# Altium PCB PCB_v1.PcbDoc (part 4 of 8)
Units mil, origin at the board's own origin, x right, y up, seen from the top; angles counter-clockwise.
Board outline 17000 x 5250 mil, 4 copper layers (Top Side, Ground Layer, Power Layer, Bottom Side), stack 33.2 mil thick; 637 components, 583 nets, 2779 pads, 978 vias.
Unrouted connection lines stored in the file: 104.
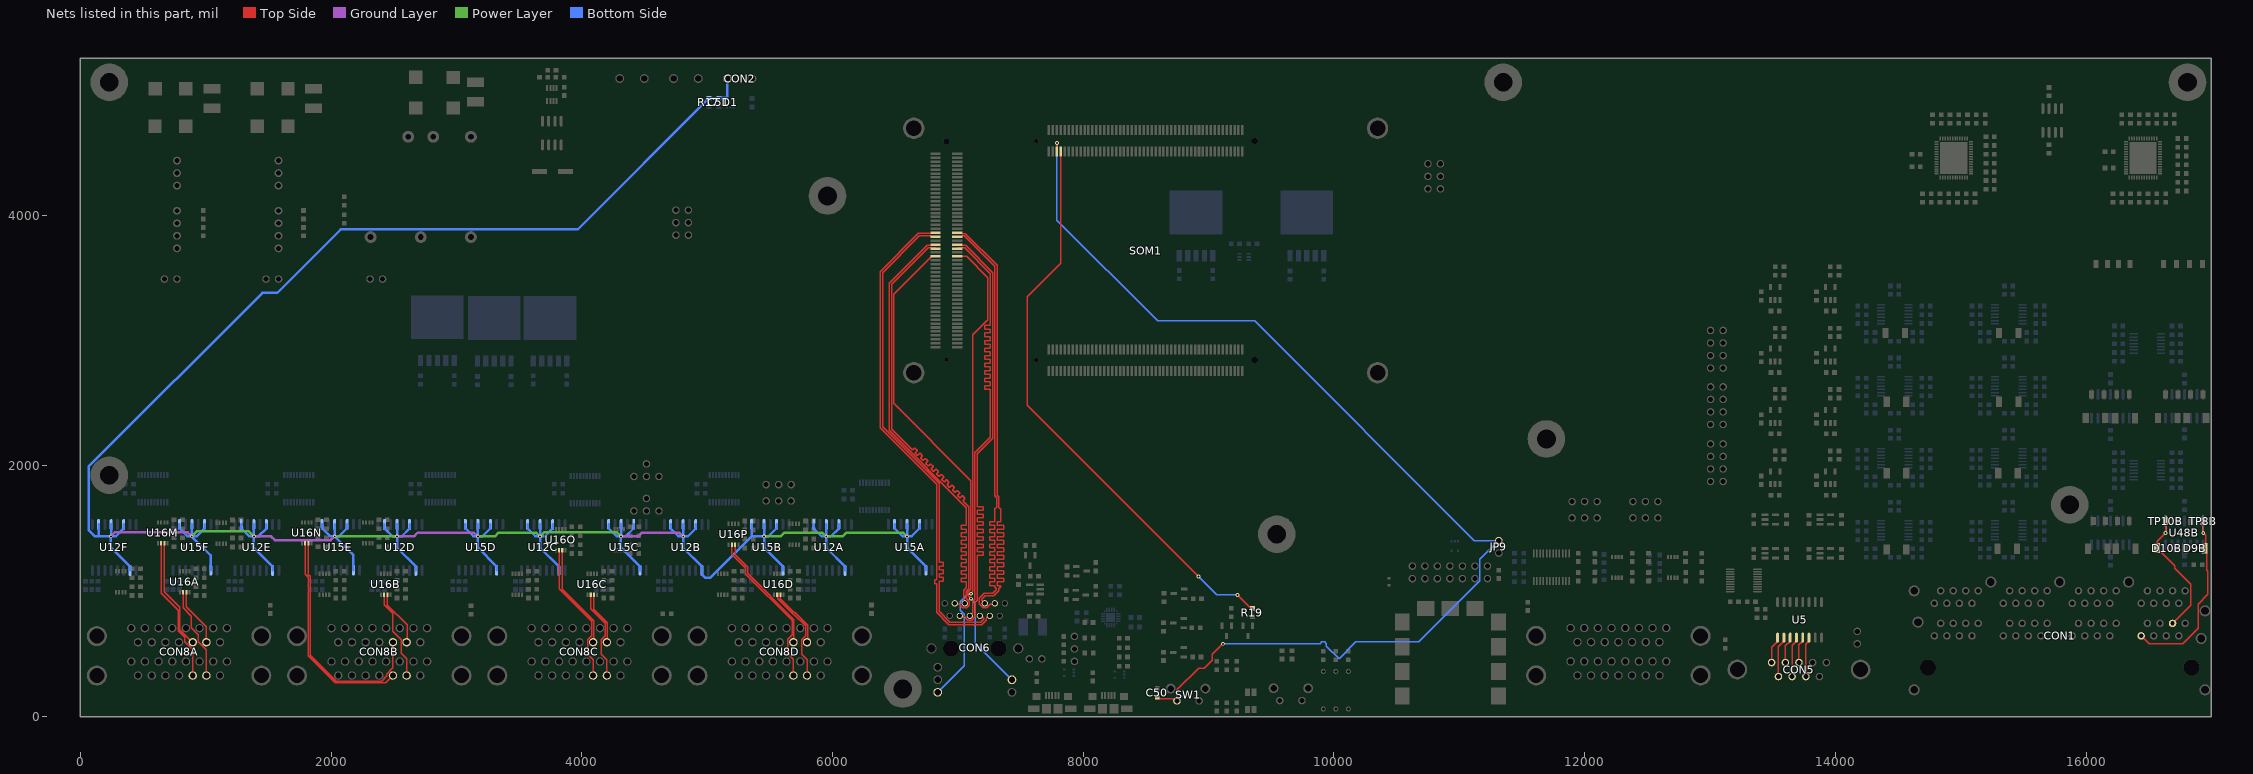
[diagram p6: the nets of this part, all layers, seen from the top]

## Via types
v1: diameter 30, hole 15, Top Side to Bottom Side, 913 vias
v2: diameter 25, hole 15, Top Side to Bottom Side, 30 vias
v3: diameter 60, hole 30, Top Side to Bottom Side, 29 vias
v4: diameter 50, hole 28, Top Side to Bottom Side, 4 vias
v5: diameter 40, hole 20, Top Side to Bottom Side, 2 vias

## Nets (pads, with @x,y where several pads share a name; then routed paths per layer and width w, separated by ;. In a path a pad name is that pad's centre, name@x,y a point inside that pad or via, vN(x,y) a via of type N, cw(c..) or ccw(c..) an arc to the next point about the centre after c; other vN are vias at no path point) (continued)
ANLG_P15: CON1.1H D9B.2 TP8B.1 U48B.14 | length 1539.4
  Top Side w10: CON1.1H@16440.16,643 16443.16,640 16503.16,580 16772.87,580 16895.71,702.84 16895.71,896.26 16973.16,973.71 16973.16,1158.45 16965,1166.61 16965,1322 D9B.2@16945,1342 16953.29,1350.29 16953.29,1446.71 v1(16935,1465) TP8B.1@16935,1560
  Bottom Side w10: v1(16935,1465) U48B.14@16935,1560
ANLG_P16: CON1.7H D10B.2 TP10B.1 U48B.8 | length 1111.6
  Top Side w10: TP10B.1@16635,1560 v1(16635,1465) 16566.54,1396.54 D10B.2@16566.54,1344.56 16706.24,1204.85 16706.24,1185 16835,1056.25 16835,887.84 CON1.7H@16690.16,743
  Bottom Side w10: v1(16635,1465) U48B.8@16635,1560
CARRIER_SRST_N: C50.2 JP9.1 SOM1.JX1-6 SW1.1 | length 8835.2
  Top Side w10: SOM1.JX1-6@7789.65,4506.77 v1(7789.65,4575) ; C50.2@8590,156.54 8603.7,142.83 8716.39,142.83 8734.23,125 SW1.1@8747.76,125 8747.76,213.11 8920,385.36 8965.36,385.36 9030,450 9030,495.36 v1(9114.64,580)
  Bottom Side w10: v1(7789.65,4575) 7789.65,3960.9 8594.91,3155.63 9367.34,3155.63 11120.07,1402.89 JP9.1@11315,1402.89 11165,1252.89 11165,1083.43 10676.57,595 10175.36,595 10040.55,460.2 9940,560.75 9940,580.36 9925.36,595 9904.64,595 9889.64,580 v1(9114.64,580)
DRIVE_EN: C51.2 CON2.1 D1.4 R17.2 U12A.2 U12A.4 U12A.6 U12A.10 U12B.2 U12B.4 U12B.6 U12B.10 U12C.2 U12C.4 U12C.6 U12C.10 U12D.2 U12D.4 U12D.6 U12D.10 U12E.2 U12E.4 U12E.6 U12E.10 U12F.2 U12F.4 U12F.6 U12F.10 U15A.2 U15A.4 U15A.6 U15A.10 U15B.2 U15B.4 U15B.6 U15B.10 U15C.2 U15C.4 U15C.6 U15C.10 U15D.2 U15D.4 U15D.6 U15D.10 U15E.2 U15E.4 U15E.6 U15E.10 U15F.2 U15F.4 U15F.6 U15F.10 | length 22604.8
  Ground Layer w20: v1(242.31,1437.6) 274.71,1470 854.91,1470 v1(887.31,1437.6) ; v1(1383.84,1437.6) 1520.88,1437.6 1550.88,1407.6 1996.14,1407.6 2026.14,1437.6 v1(2028.84,1437.6) ; v1(2525.38,1437.6) 2660.88,1437.6 2690.88,1467.6 3137.67,1467.6 3167.67,1437.6 v1(3170.38,1437.6) ; v1(4311.91,1437.6) 4450.88,1437.6 4480.88,1467.6 4775.74,1467.6 4805.74,1437.6 v1(4808.45,1437.6)
  Power Layer w20: v1(887.31,1437.6) 926.77,1477.06 1344.38,1477.06 v1(1383.84,1437.6) ; v1(2028.84,1437.6) v1(2525.38,1437.6) ; v1(3170.38,1437.6) 3305.88,1437.6 3335.88,1467.6 3634.21,1467.6 3664.21,1437.6 v1(3666.91,1437.6) 3701.38,1472.06 4277.45,1472.06 v1(4311.91,1437.6) ; v1(5453.45,1437.6) 5585.88,1437.6 5615.88,1467.6 5917.28,1467.6 5947.28,1437.6 6080.88,1437.6 6110.88,1467.6 6562.28,1467.6 6592.28,1437.6 v1(6594.98,1437.6)
  Bottom Side w20: U12F.2@144.63,1532.09 144.63,1437.6 ; U12F.4@244.63,1532.09 243.94,1531.39 243.94,1439.23 v1(242.31,1437.6) ; U12F.6@344.63,1532.09 344.63,1500.59 281.64,1437.6 v1(242.31,1437.6) ; U12F.10@394.63,1165.16 394.63,1196.65 242.31,1348.98 v1(242.31,1437.6) ; U15F.2@789.63,1533.62 789.63,1502.13 853.15,1438.6 886.3,1438.6 v1(887.31,1437.6) ; U15F.4@889.63,1533.62 888.94,1532.93 888.94,1463.73 887.81,1462.6 887.81,1438.1 v1(887.31,1437.6) ; U15F.6@989.63,1533.62 989.63,1502.13 925.1,1437.6 v1(887.31,1437.6) ; U15F.10@1039.63,1166.69 1039.63,1285.28 v1(887.31,1437.6) ; U12E.2@1282.7,1532.09 1282.7,1500.59 1344.55,1438.74 v1@1382.7,1438.74 ; U12E.4@1382.7,1532.09 1383.2,1531.58 1383.2,1439.24 v1@1382.7,1438.74 ; v1(1383.84,1437.6) 1383.84,1345.51 1532.7,1196.65 U12E.10@1532.7,1165.16 ; U12E.6@1482.7,1532.09 1482.7,1500.59 1420.85,1438.74 v1@1382.7,1438.74 ; U15E.2@1927.7,1533.62 1927.7,1502.13 1991.09,1438.74 v1@2027.7,1438.74 ; U15E.4@2027.7,1533.62 2028.2,1533.12 2028.2,1439.24 v1@2027.7,1438.74 ; v1(2028.84,1437.6) 2177.7,1288.74 U15E.10@2177.7,1166.69 ; U15E.6@2127.7,1533.62 2127.7,1502.13 2064.31,1438.74 v1@2027.7,1438.74 ; U12D.2@2425.38,1532.09 2425.38,1500.59 2487.87,1438.1 2524.88,1438.1 v1(2525.38,1437.6) ; U12D.4@2525.38,1532.09 v1(2525.38,1437.6) ; U12D.6@2625.38,1532.09 2625.38,1500.59 2562.89,1438.1 2525.88,1438.1 v1(2525.38,1437.6) ; U12D.10@2675.38,1165.16 2675.38,1196.65 2525.38,1346.65 v1(2525.38,1437.6) ; U15D.2@3070.38,1533.62 3070.38,1502.13 3134.4,1438.1 3169.88,1438.1 v1(3170.38,1437.6) ; U15D.4@3170.38,1533.62 v1(3170.38,1437.6) ; U15D.6@3270.38,1533.62 3270.38,1502.13 3206.35,1438.1 3170.88,1438.1 v1(3170.38,1437.6) ; U15D.10@3320.38,1166.69 3320.38,1198.19 3170.38,1348.19 v1(3170.38,1437.6) ; U12C.2@3566.91,1532.09 3566.91,1500.59 3629.4,1438.1 3666.41,1438.1 v1(3666.91,1437.6) ; U12C.4@3666.91,1532.09 v1(3666.91,1437.6) ; U12C.6@3766.91,1532.09 3766.91,1500.59 3704.42,1438.1 3667.42,1438.1 v1(3666.91,1437.6) ; U12C.10@3816.91,1165.16 3816.91,1196.65 3666.91,1346.65 v1(3666.91,1437.6) ; U15C.2@4213.84,1533.62 4213.84,1502.13 4276.46,1439.51 4310,1439.51 v1(4311.91,1437.6) ; U15C.4@4313.84,1533.62 4313.32,1533.1 4313.32,1439.01 v1(4311.91,1437.6) ; U15C.6@4413.84,1533.62 4413.84,1502.13 4349.31,1437.6 v1(4311.91,1437.6) ; U15C.10@4463.84,1166.69 4463.84,1197.73 4311.91,1349.66 v1(4311.91,1437.6) ; U12B.2@4708.45,1532.09 4708.45,1500.59 4770.94,1438.1 4807.95,1438.1 v1(4808.45,1437.6) ; U12B.4@4808.45,1532.09 v1(4808.45,1437.6) ; U12B.6@4908.45,1532.09 4908.45,1500.59 4845.96,1438.1 4808.95,1438.1 v1(4808.45,1437.6) ; CON2.1@5160,5090 5158.41,5088.41 D1.4@5158.41,4937.4 5097.94,4937.4 C51.2@5094,4933.46 R17.2@5014,4933.46 3968.06,3887.53 2077.53,3887.53 1570,3380 1451.65,3380 65,1993.35 65,1488.94 116.35,1437.6 144.63,1437.6 ; U15B.2@5353.45,1533.62 5353.8,1533.27 5353.8,1437.6 ; U15B.4@5453.45,1533.62 v1(5453.45,1437.6) ; U15B.6@5553.45,1533.62 5553.45,1502.13 5489.42,1438.1 5453.95,1438.1 v1(5453.45,1437.6) ; U15B.10@5603.45,1166.69 5603.45,1198.19 5453.45,1348.19 v1(5453.45,1437.6) ; U12A.2@5849.98,1532.09 5849.98,1500.59 5912.47,1438.1 5949.48,1438.1 v1(5949.98,1437.6) ; U12A.4@5949.98,1532.09 v1(5949.98,1437.6) ; U12A.6@6049.98,1532.09 6049.98,1500.59 5987.49,1438.1 5950.49,1438.1 v1(5949.98,1437.6) ; U12A.10@6099.98,1165.16 6099.98,1196.65 5949.98,1346.65 v1(5949.98,1437.6) ; U15A.2@6494.98,1533.62 6494.98,1502.13 6559.01,1438.1 6594.48,1438.1 v1(6594.98,1437.6) ; U15A.4@6594.98,1533.62 v1(6594.98,1437.6) ; U15A.6@6694.98,1533.62 6694.98,1502.13 6630.96,1438.1 6595.49,1438.1 v1(6594.98,1437.6) ; U15A.10@6744.98,1166.69 6744.98,1198.19 6594.98,1348.19 v1(6594.98,1437.6) ; 144.63,1437.6 v1(242.31,1437.6) ; v1(4808.45,1437.6) 4808.45,1346.65 4958.45,1196.65 U12B.10@4958.45,1165.16 4958.45,1134.64 4986.24,1106.85 5023.05,1106.85 5353.8,1437.6 ; 5353.8,1437.6 v1(5453.45,1437.6)
ENC_A: CON5.5 U5.1 | length 235.6
  Top Side w10: CON5.5@13491.89,430.91 13491.89,553.85 13540,601.96 U5.1@13540,646.54
ENC_A\: CON5.9 U5.2 | length 345.5
  Top Side w10: CON5.9@13546.42,319.09 13546.42,558.38 13590,601.96 U5.2@13590,646.54
ENC_B: CON5.4 U5.3 | length 231.8
  Top Side w10: CON5.4@13600.94,430.91 13600.94,562.9 13640,601.96 U5.3@13640,646.54
ENC_B\: CON5.8 U5.4 | length 341.7
  Top Side w10: CON5.8@13655.47,319.09 13655.47,567.43 13690,601.96 U5.4@13690,646.54
ENC_Z: CON5.3 U5.5 | length 228.1
  Top Side w10: CON5.3@13710,430.91 13710,571.96 13740,601.96 U5.5@13740,646.54
ENC_Z\: CON5.7 U5.6 | length 338
  Top Side w10: CON5.7@13764.53,319.09 13764.53,576.49 13790,601.96 U5.6@13790,646.54
ETH_MD1_N: CON6.10 SOM1.JX3-53 | length 3897.4
  Top Side w10: SOM1.JX3-53@6821.69,3765.13 6816.69,3760.13 6781.58,3760.13 6780.84,3759.38 6755.01,3759.38 6451.31,3455.67 6451.31,2282.78 7067,1667.09 7067,1640 7067,1528 7064,1525 7030.36,1525 7027.36,1522 7027.36,1498 7030.36,1495 7064,1495 7067,1492 7067,1468 7064,1465 7030.36,1465 7027.36,1462 7027.36,1438 7030.36,1435 7064,1435 7067,1432 7067,1408 7064,1405 7030.36,1405 7027.36,1402 7027.36,1378 7030.36,1375 7064,1375 7067,1372 7067,1348 7064,1345 7030.36,1345 7027.36,1342 7027.36,1318 7030.36,1315 7064,1315 7067,1312 7067,1288 7064,1285 7030.36,1285 7027.36,1282 7027.36,1258 7030.36,1255 7064,1255 7067,1252 7067,1228 7064,1225 7030.36,1225 7027.36,1222 7027.36,1198 7030.36,1195 7064,1195 7067,1192 7067,1168 7064,1165 7030.36,1165 7027.36,1162 7027.36,1138 7030.36,1135 7064,1135 7067,1132 7067,1108 7064,1105 7030.36,1105 7027.36,1102 7027.36,1078 7030.36,1075 7064,1075 7067,1072 7067,1060 7067,1028.27 7045,1006.27 7045,937.07 7048.74,933.34 7048.74,909.29 CON6.10@7055,903.03
ETH_MD1_P: CON6.11 SOM1.JX3-51 | length 3892
  Top Side w10: SOM1.JX3-51@6821.69,3733.63 6816.69,3738.63 6781.58,3738.63 6780.84,3739.38 6763.3,3739.38 6471.31,3447.39 6471.31,2291.07 6626.19,2136.19 6634.67,2127.7 6638.91,2127.7 6652.96,2141.75 6657.2,2141.75 6674.17,2124.78 6674.17,2120.53 6660.13,2106.49 6660.13,2102.25 6677.1,2085.27 6681.34,2085.27 6695.39,2099.32 6699.63,2099.32 6716.6,2082.35 6716.6,2078.11 6702.55,2064.06 6702.55,2059.82 6719.52,2042.85 6723.77,2042.85 6737.81,2056.89 6742.06,2056.89 6759.03,2039.92 6759.03,2035.68 6744.98,2021.64 6744.98,2017.39 6761.95,2000.42 6766.19,2000.42 6780.24,2014.47 6784.48,2014.47 6801.45,1997.5 6801.45,1993.25 6787.41,1979.21 6787.41,1974.97 6804.38,1958 6808.62,1958 6822.67,1972.04 6826.91,1972.04 6843.88,1955.07 6843.88,1950.83 6829.83,1936.78 6829.83,1932.54 6846.8,1915.57 6851.05,1915.57 6865.09,1929.62 6869.33,1929.62 6886.31,1912.64 6886.31,1908.4 6872.26,1894.36 6872.26,1890.11 6889.23,1873.14 6893.47,1873.14 6907.52,1887.19 6911.76,1887.19 6928.73,1870.22 6928.73,1865.98 6914.69,1851.93 6914.69,1847.69 6931.66,1830.72 6935.9,1830.72 6949.94,1844.76 6954.19,1844.76 6971.16,1827.79 6971.16,1823.55 6957.11,1809.5 6957.11,1805.26 6974.08,1788.29 6978.33,1788.29 6992.37,1802.34 6996.61,1802.34 7013.58,1785.37 7013.58,1781.12 6999.54,1767.08 6999.54,1762.83 7016.51,1745.86 7020.75,1745.86 7034.8,1759.91 7039.04,1759.91 7056.01,1742.94 7056.01,1738.7 7041.97,1724.65 7041.97,1720.41 7052.37,1710 7087,1675.37 7087,1019.98 7065,997.98 7065,945.36 7090,920.36 7090,888.53 7069.5,868.03 7040.5,868.03 7013.16,895.38 6982.65,895.38 CON6.11@6975,903.03
ETH_MD2_N: CON6.5 SOM1.JX3-54 | length 3923
  Top Side w10: SOM1.JX3-54@6994.92,3765.13 6999.92,3760.13 7035.03,3760.13 7035.78,3759.38 7061.6,3759.38 7279,3541.98 7279,2219.5 7155,2095.5 7155,1740 7155,1678 7158,1675 7197.9,1675 7200.9,1672 7200.9,1648 7197.9,1645 7158,1645 7155,1642 7155,1618 7158,1615 7197.9,1615 7200.9,1612 7200.9,1588 7197.9,1585 7158,1585 7155,1582 7155,1558 7158,1555 7197.9,1555 7200.9,1552 7200.9,1528 7197.9,1525 7158,1525 7155,1522 7155,1498 7158,1495 7197.9,1495 7200.9,1492 7200.9,1468 7197.9,1465 7158,1465 7155,1462 7155,1438 7158,1435 7197.9,1435 7200.9,1432 7200.9,1408 7197.9,1405 7158,1405 7155,1402 7155,1378 7158,1375 7197.9,1375 7200.9,1372 7200.9,1348 7197.9,1345 7158,1345 7155,1342 7155,1318 7158,1315 7197.9,1315 7200.9,1312 7200.9,1288 7197.9,1285 7158,1285 7155,1282 7155,1255 7155,1240 7155,926.36 7140.08,911.44 7140.08,798.61 7109.5,768.03 7080.5,768.03 7053.16,795.38 7022.73,795.38 CON6.5@7015.08,803.03
ETH_MD2_P: CON6.4 SOM1.JX3-52 | length 3910.9
  Top Side w10: SOM1.JX3-52@6994.92,3733.63 6999.92,3738.63 7035.03,3738.63 7035.78,3739.38 7053.32,3739.38 7259,3533.7 7259,3150 7259,3123 7256,3120 7216.29,3120 7213.29,3117 7213.29,3093 7216.29,3090 7256,3090 7259,3087 7259,3063 7256,3060 7216.29,3060 7213.29,3057 7213.29,3033 7216.29,3030 7256,3030 7259,3027 7259,3003 7256,3000 7216.29,3000 7213.29,2997 7213.29,2973 7216.29,2970 7256,2970 7259,2967 7259,2943 7256,2940 7216.29,2940 7213.29,2937 7213.29,2913 7216.29,2910 7256,2910 7259,2907 7259,2883 7256,2880 7216.29,2880 7213.29,2877 7213.29,2853 7216.29,2850 7256,2850 7259,2847 7259,2823 7256,2820 7216.29,2820 7213.29,2817 7213.29,2793 7216.29,2790 7256,2790 7259,2787 7259,2763 7256,2760 7216.29,2760 7213.29,2757 7213.29,2733 7216.29,2730 7256,2730 7259,2727 7259,2703 7256,2700 7216.29,2700 7213.29,2697 7213.29,2673 7216.29,2670 7256,2670 7259,2667 7259,2643 7256,2640 7216.29,2640 7213.29,2637 7213.29,2613 7216.29,2610 7256,2610 7259,2607 7259,2595 7259,2227.78 7135,2103.78 7135,934.64 7120.08,919.72 7120.08,826.24 7096.87,803.03 CON6.4@7095,803.03
ETH_MD3_N: CON6.2 SOM1.JX3-59 | length 3999.6
  Top Side w10: SOM1.JX3-59@6821.69,3859.62 6816.69,3854.62 6781.58,3854.62 6780.84,3853.87 6684.54,3853.87 6379.67,3548.99 6379.67,2304.92 6830,1854.59 6830,1210 6830,1093 6827,1090 6819.69,1090 6816.69,1087 6816.69,1063 6819.69,1060 6827,1060 6830,1057 6830,1045 6830,830.33 6927.3,733.03 7189.93,733.03 7225.08,768.18 7225.08,784.75 7230.94,790.61 7231.83,790.61 7244.26,803.03 CON6.2@7255.08,803.03
ETH_MD3_P: CON6.3 SOM1.JX3-57 | length 4051.9
  Top Side w10: SOM1.JX3-57@6821.69,3828.12 6816.69,3833.12 6781.58,3833.12 6780.84,3833.87 6692.83,3833.87 6399.67,3540.71 6399.67,2313.21 6850,1862.88 6850,1500 6850,1233 6853,1230 6879.07,1230 6882.07,1227 6882.07,1203 6879.07,1200 6853,1200 6850,1197 6850,1173 6853,1170 6879.07,1170 6882.07,1167 6882.07,1143 6879.07,1140 6853,1140 6850,1137 6850,1113 6853,1110 6879.07,1110 6882.07,1107 6882.07,1083 6879.07,1080 6853,1080 6850,1077 6850,1050 6850,1035 6850,838.61 6935.58,753.03 7181.65,753.03 7205.08,776.46 7205.08,784.75 7199.22,790.61 7198.33,790.61 7185.9,803.03 CON6.3@7175.08,803.03
ETH_MD4_N: CON6.9 SOM1.JX3-60 | length 4012.9
  Top Side w10: SOM1.JX3-60@6994.92,3859.62 6999.92,3854.62 7034.03,3854.62 7035.78,3852.87 7059.77,3852.87 7312,3600.64 7312,1767.09 7327.54,1751.55 7327.54,1665.86 7333.39,1660 7335,1660 7340,1655 7340,1558 7337,1555 7318.69,1555 7315.69,1552 7315.69,1528 7318.69,1525 7340,1525 7361.31,1525 7364.31,1522 7364.31,1498 7361.31,1495 7340,1495 7318.69,1495 7315.69,1492 7315.69,1468 7318.69,1465 7340,1465 7361.31,1465 7364.31,1462 7364.31,1438 7361.31,1435 7340,1435 7318.69,1435 7315.69,1432 7315.69,1408 7318.69,1405 7340,1405 7361.31,1405 7364.31,1402 7364.31,1378 7361.31,1375 7340,1375 7318.69,1375 7315.69,1372 7315.69,1348 7318.69,1345 7340,1345 7361.31,1345 7364.31,1342 7364.31,1318 7361.31,1315 7340,1315 7318.69,1315 7315.69,1312 7315.69,1288 7318.69,1285 7340,1285 7361.31,1285 7364.31,1282 7364.31,1258 7361.31,1255 7340,1255 7318.69,1255 7315.69,1252 7315.69,1228 7318.69,1225 7340,1225 7361.31,1225 7364.31,1222 7364.31,1198 7361.31,1195 7340,1195 7318.69,1195 7315.69,1192 7315.69,1168 7318.69,1165 7340,1165 7361.31,1165 7364.31,1162 7364.31,1138 7361.31,1135 7340,1135 7318.69,1135 7315.69,1132 7315.69,1108 7318.69,1105 7340,1105 7361.31,1105 7364.31,1102 7364.31,1078 7361.31,1075 7340,1075 7318.69,1075 7315.69,1072 7315.69,1048 7318.69,1045 7337,1045 7340,1042 7340,1030 7336.36,1030 7327.5,1021.14 7327.5,1004.57 7285.96,963.03 7218.43,963.03 7190,934.6 7190,926.32 7213.28,903.03 CON6.9@7215,903.03
ETH_MD4_P: CON6.8 SOM1.JX3-58 | length 4017.5
  Top Side w10: SOM1.JX3-58@6994.92,3828.12 6999.92,3833.12 7034.03,3833.12 7035.78,3834.87 7052.32,3834.87 7294,3593.18 7294,1759.63 7309.54,1744.1 7309.54,1665.86 7303.68,1660 7295,1660 7295,1558 7292,1555 7258.52,1555 7255.52,1552 7255.52,1528 7258.52,1525 7292,1525 7295,1522 7295,1498 7292,1495 7258.52,1495 7255.52,1492 7255.52,1468 7258.52,1465 7292,1465 7295,1462 7295,1438 7292,1435 7258.52,1435 7255.52,1432 7255.52,1408 7258.52,1405 7292,1405 7295,1402 7295,1378 7292,1375 7258.52,1375 7255.52,1372 7255.52,1348 7258.52,1345 7292,1345 7295,1342 7295,1318 7292,1315 7258.52,1315 7255.52,1312 7255.52,1288 7258.52,1285 7292,1285 7295,1282 7295,1258 7292,1255 7258.52,1255 7255.52,1252 7255.52,1228 7258.52,1225 7292,1225 7295,1222 7295,1198 7292,1195 7258.52,1195 7255.52,1192 7255.52,1168 7258.52,1165 7292,1165 7295,1162 7295,1138 7292,1135 7258.52,1135 7255.52,1132 7255.52,1108 7258.52,1105 7292,1105 7295,1102 7295,1078 7292,1075 7258.52,1075 7255.52,1072 7255.52,1048 7258.52,1045 7292,1045 7295,1042 7295,1030 7298.64,1030 7307.5,1021.14 7307.5,1012.86 7277.67,983.03 7210.15,983.03 7170,942.88 7170,898.53 7200.5,868.03 7229.5,868.03 7256.84,895.38 7287.35,895.38 CON6.8@7295,903.03
ETH_PHY_LED0: CON6.13 SOM1.JX3-47 | length 3945.2
  Top Side w10: SOM1.JX3-47@6821.69,3670.64 6791.69,3670.64 6780.2,3659.15 6777.55,3659.15 6486.31,3367.9 6486.31,2498.68 7102,1882.99 7102,1013.77 7080,991.77 7080,965.71 v1(7105.36,940.36)
  Bottom Side w10: v1(7105.36,940.36) 7140.08,905.63 7140.08,583.95 CON6.13@7431,293.03
ETH_PHY_LED1: CON6.17 SOM1.JX3-48 | length 3827.2
  Top Side w10: SOM1.JX3-48@6994.92,3670.64 7069.71,3670.64 7240,3500.36 7240,3164.93 7120,3044.93 7120,1000.41 7105,985.41 v1(7105,980)
  Bottom Side w10: CON6.17@6839,193.03 7050.08,404.11 7050.08,817.53 7020,847.61 7020,917.53 7078.64,976.17 7101.17,976.17 v1(7105,980)
FLT_DESAT1: CON8A.10A U16A.7 | length 465.4
  Top Side w10: U16A.7@844.41,992.11 844.41,875.69 1004.5,715.6 CON8A.10A@1004.5,593
FLT_DESAT2: CON8A.10B U16A.6 | length 742
  Top Side w10: U16A.6@818.82,992.11 818.82,867.72 884.5,802.04 884.5,708.98 939,654.48 939,596.98 1004.5,531.48 CON8A.10B@1004.5,327
FLT_DESAT3: CON8B.10A U16B.7 | length 445.9
  Top Side w10: U16B.7@2448.65,972.11 2448.65,888.74 2605.83,731.55 2605.83,597 CON8B.10A@2601.83,593
FLT_DESAT4: CON8B.10B U16B.6 | length 719.2
  Top Side w10: U16B.6@2423.06,972.11 2423.06,890.8 2490,823.85 2490,679.35 2558.33,611.02 2558.33,504.5 2601.83,461 CON8B.10B@2601.83,327
FLT_DESAT5: CON8C.10A U16C.7 | length 424.9
  Top Side w10: U16C.7@4096.56,972.11 4096.56,856.07 4203.17,749.46 4203.17,597 CON8C.10A@4199.17,593
FLT_DESAT6: CON8C.10B U16C.6 | length 725.1
  Top Side w10: U16C.6@4070.97,972.11 4070.97,860.45 4188.17,743.25 4188.17,643.52 4155.67,611.02 4155.67,498.47 4199.17,454.97 CON8C.10B@4199.17,327
FLT_DESAT7: CON8D.10A U16D.7 | length 473.8
  Top Side w10: U16D.7@5584.41,972.11 5584.41,939.24 5691.05,832.6 5697.13,832.6 5800.5,729.23 5800.5,597 CON8D.10A@5796.5,593
FLT_DESAT8: CON8D.10B U16D.6 | length 774
  Top Side w10: U16D.6@5558.82,972.11 5562.09,968.84 5562.09,940.34 5684.83,817.6 5690.92,817.6 5785.5,723.02 5785.5,643.52 5753,611.02 5753,498.47 5796.5,454.97 CON8D.10B@5796.5,327
FLT_TEMP1: CON8A.11A U16M.7 | length 885.1
  Top Side w10: U16M.7@669.41,1382.11 669.41,995.24 793.23,871.42 793.23,691.25 891.48,593 CON8A.11A@895.5,593
FLT_TEMP2: CON8A.11B U16M.6 | length 1159.4
  Top Side w10: U16M.6@643.82,1382.11 643.82,983.49 778.23,849.08 778.23,685.04 830,633.27 830,596.98 895.5,531.48 CON8A.11B@895.5,327
FLT_TEMP3: CON8B.11A U16N.7 | length 1900.2
  Top Side w10: U16N.7@1818.29,1382.11 1818.29,1132.49 1832.83,1117.94 1832.83,489.48 2038.82,283.5 2401.85,283.5 2441.89,323.54 2441.89,337.57 2492.83,388.52 CON8B.11A@2492.83,593
FLT_TEMP4: CON8B.11B U16N.6 | length 1697.4
  Top Side w10: U16N.6@1792.7,1382.11 1792.7,1136.86 1817.83,1111.73 1817.83,483.27 2032.6,268.5 2434.33,268.5 CON8B.11B@2492.83,327
FLT_TEMP5: CON8C.11A U16O.7 | length 839.6
  Top Side w10: U16O.7@3843.43,1327.11 3843.43,1016.66 4094.17,765.92 4094.17,597 CON8C.11A@4090.17,593
FLT_TEMP6: CON8C.11B U16O.6 | length 1139.8
  Top Side w10: U16O.6@3817.83,1327.11 3817.83,1021.04 4079.17,759.7 4079.17,643.52 4046.67,611.02 4046.67,498.47 4090.17,454.97 CON8C.11B@4090.17,327
FLT_TEMP7: CON8D.11A U16P.7 | length 974.6
  Top Side w10: U16P.7@5222.59,1371.67 5222.59,1290.31 5323.84,1189.06 5323.84,1141.58 5691.5,773.92 5691.5,597 CON8D.11A@5687.5,593
FLT_TEMP8: CON8D.11B U16P.6 | length 1274.8
  Top Side w10: U16P.6@5197,1371.67 5197,1294.68 5308.84,1182.84 5308.84,1135.37 5676.5,767.71 5676.5,650.53 5644,618.03 5644,500.85 5687.5,457.35 CON8D.11B@5687.5,327
FPGA_DONE: R19.2 SOM1.JX1-8 | length 4601.1
  Top Side w10: SOM1.JX1-8@7821.14,4506.77 7821.14,3615 7555,3348.85 7555,2481.67 v1(8920,1116.67) ; v1(9230,970) 9336.54,863.46 R19.2@9350,863.46
  Bottom Side w10: v1(8920,1116.67) 8920,1115.83 9065.83,970 v1(9230,970)